# KiCad board EngineController.kicad_pcb
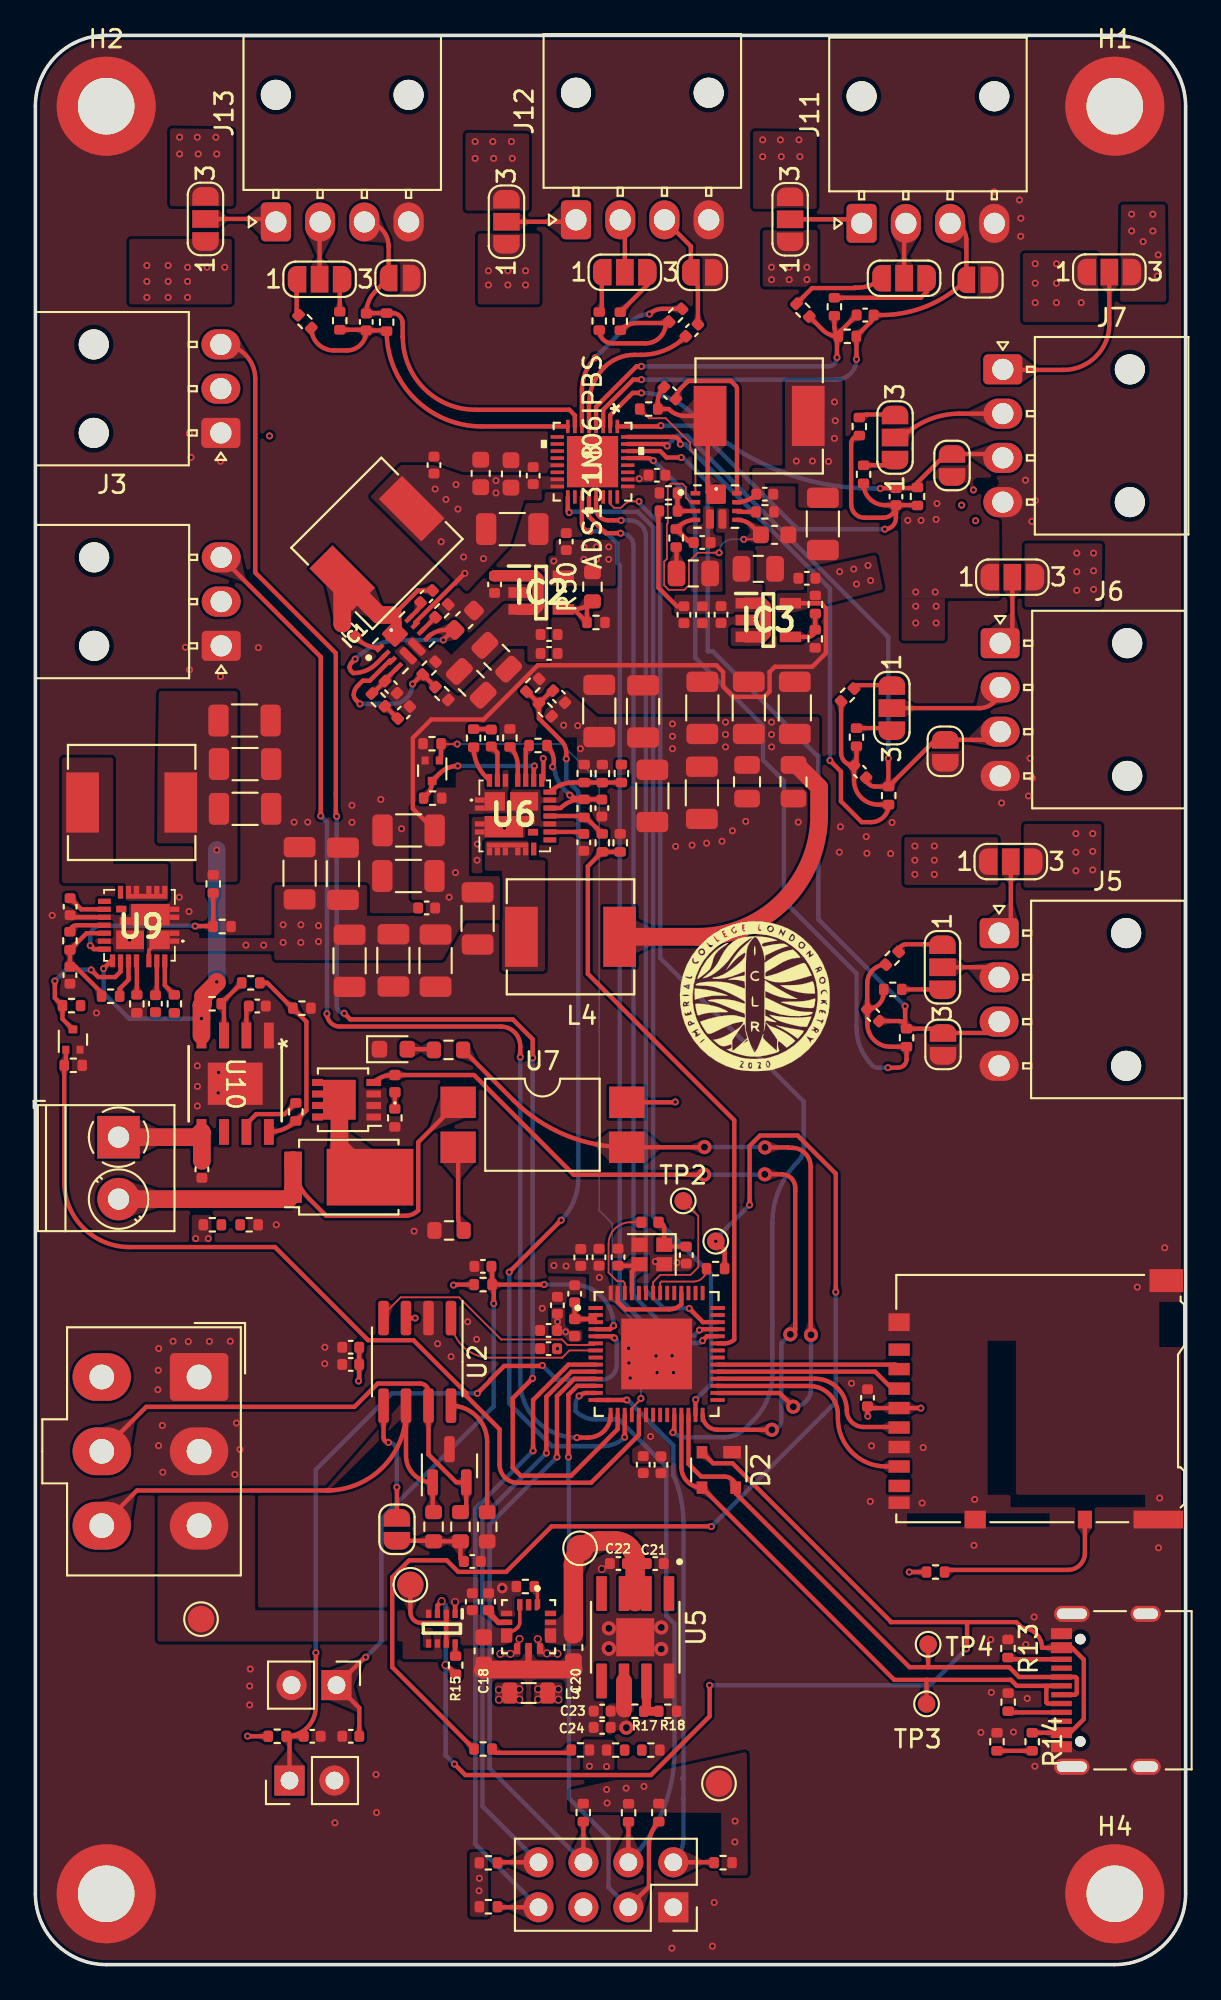
[diagram p0: board, top side]
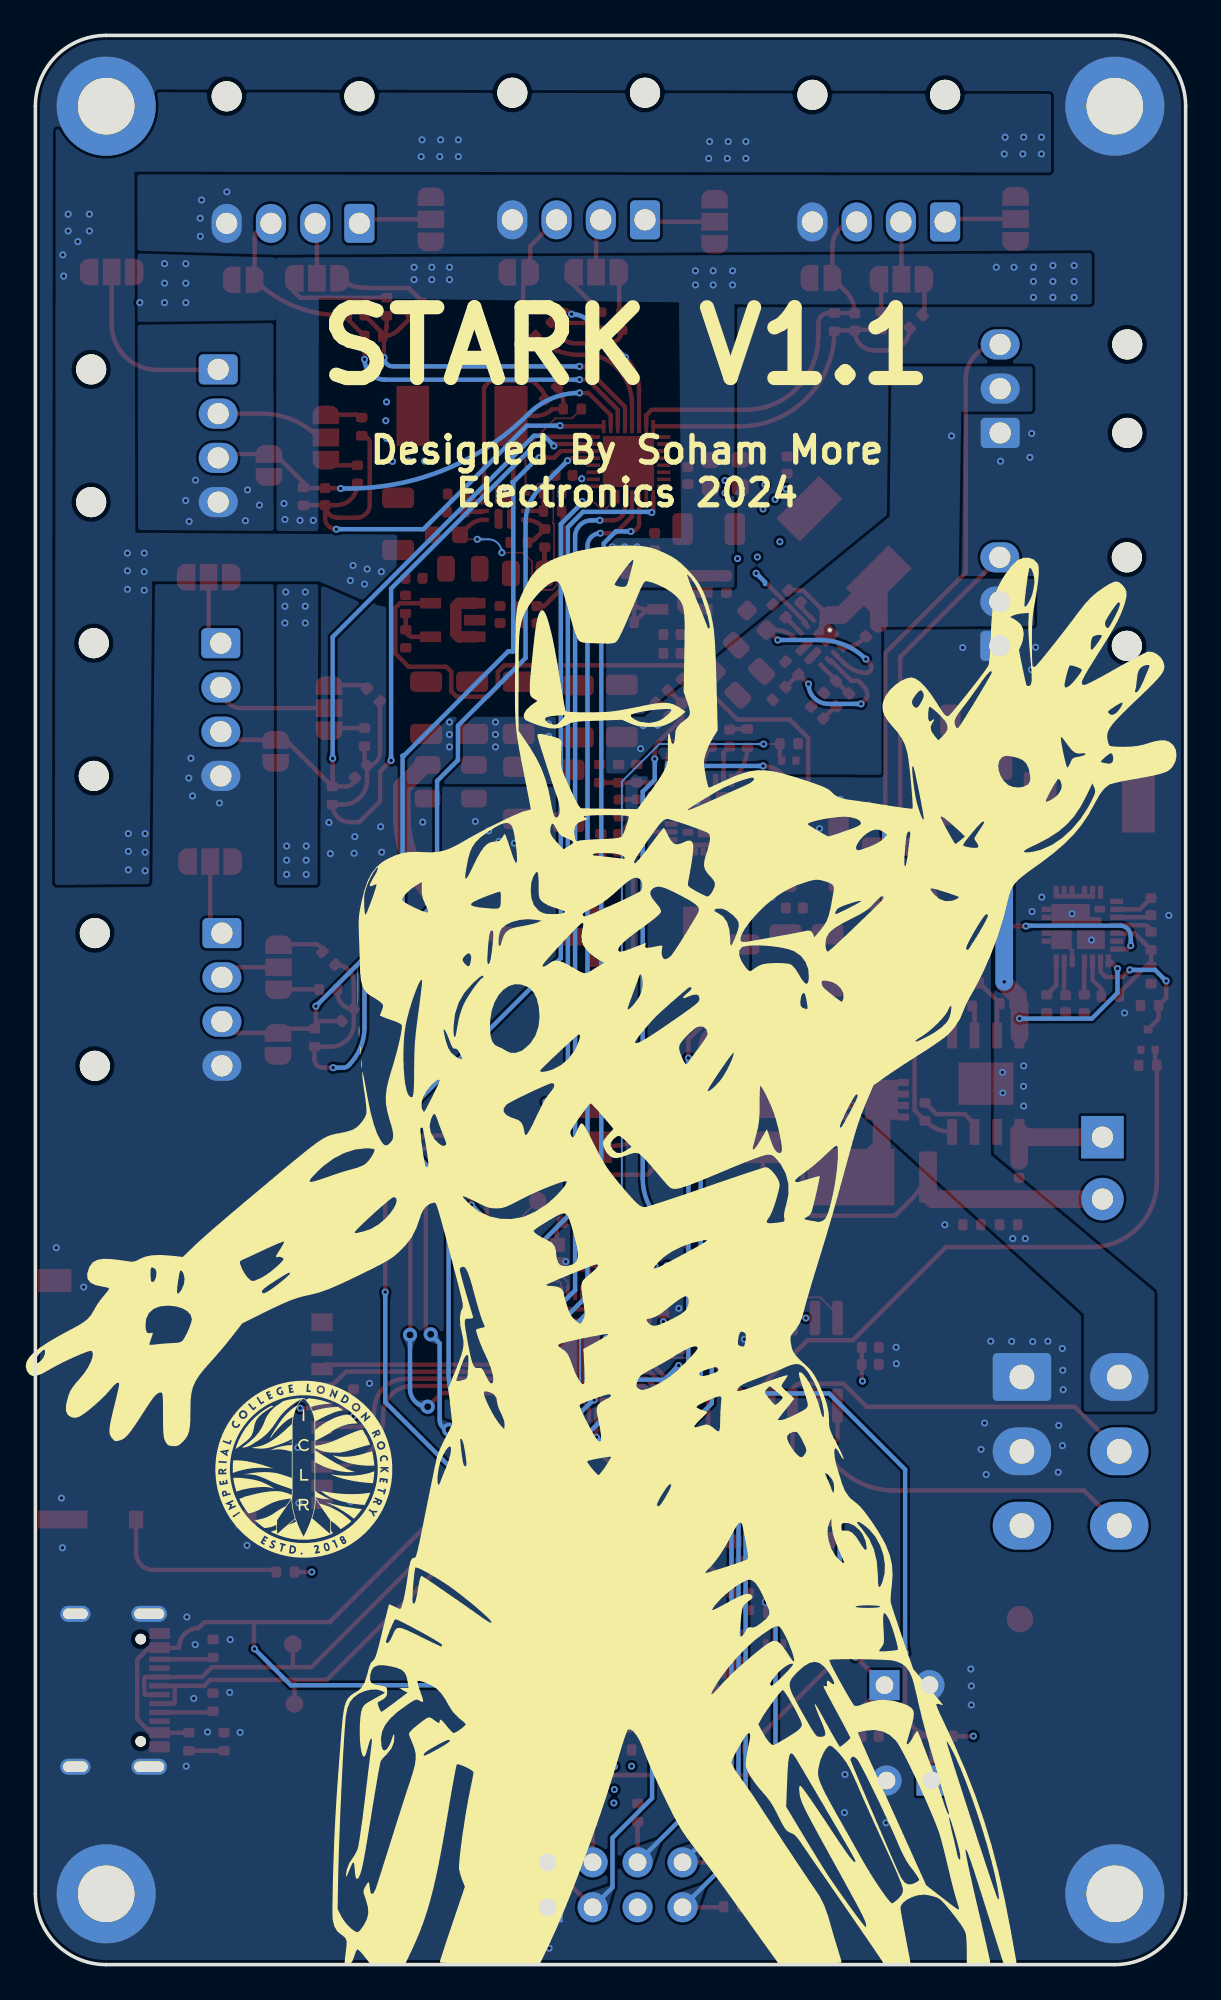
[diagram p1: board, bottom side, seen from below]

Outline 65 x 109 mm; copper layers: Top, In1.Cu (plane), In2.Cu (plane), Bottom. Coordinates in mm from the lower left corner of the outline.
Outline path: 0,105 0,4 arc(1.17,1.17) 4,0 61,0 arc(63.83,1.17) 65,4 65,105 arc(63.83,107.83) 61,109 4,109 arc(1.17,107.83) 0,105
Stack: Top 0.035mm / dielectric 0.1mm FR4 er 4.5 / In1.Cu 0.0175mm / dielectric 1.275mm FR4 er 4.5 / In2.Cu 0.0175mm / dielectric 0.1mm FR4 er 4.5 / Bottom 0.035mm

## Placement (name value [footprint] x y rotation side)
3V3LED1  BLUE_LED  [R_0402_1005Metric]  34.78 12.12 180 top
12VLED1  RED_LED  [R_0402_1005Metric]  12.08 41.8 180 top
BOOTJUMPER1  Conn_01x02_Male  [PinHeader_1x02_P2.54mm_Vertical]  14.36 10.4 90 top
C1  10uF  [C_0402_1005Metric]  29 34.8 180 top
C2  1uF  [C_0402_1005Metric]  25.29 39.45 180 top
C3  0.1uF  [C_0402_1005Metric]  17.82 12.9 180 top
C4  1uF  [C_0402_1005Metric]  29 35.83 180 top
C5  0.1uF  [C_0402_1005Metric]  29.5 37.25 90 top
C6  0.1uF  [C_0402_1005Metric]  30.47 37.9 90 top
C7  1uF  [C_0402_1005Metric]  30.82 39.95 90 top
C8  0.1uF  [C_0402_1005Metric]  15.64 12.9 0 top
C9  10nF  [C_0402_1005Metric]  31.85 39.97 90 top
C10  0.1uF  [C_0402_1005Metric]  34.35 28.25 270 top
C11  0.1uF  [C_0402_1005Metric]  35.35 28.24 270 top
C12  11pF  [C_0402_1005Metric]  32.92 39.97 90 top
C13  11pF  [C_0402_1005Metric]  36.78 40.09 270 top
C14  100nF  [C_0402_1005Metric]  17.82 33.91 180 top
C15  10uF  [C_0402_1005Metric]  17.82 34.88 180 top
C16  47nF  [C_0402_1005Metric]  24.69 22.78 0 top
C17  10uF  [C_0402_1005Metric]  24.69 20.5 90 top
C18  10uF  [C_0603_1608Metric]  25.33 17.72 270 top
C19  1uF  [C_0402_1005Metric]  25.61 20.5 90 top
C20  22uF  [C_0603_1608Metric]  30.4 17.91 270 top
C21  10uF  [C_0402_1005Metric]  35.03 22.66 0 top
C22  4.7uF  [C_0402_1005Metric]  32.95 22.66 180 top
C23  10uF  [C_0402_1005Metric]  32.03 14.32 0 top
C24  0.1uF  [C_0402_1005Metric]  32.03 13.4 0 top
C25  1uF  [C_0402_1005Metric]  32.01 65.35 90 top
C26  4.7uF  [C_0402_1005Metric]  30.99 63.41 90 top
C27  47uF  [C_1206_3216Metric]  21.08 61.51 180 top
C28  47uF  [C_1206_3216Metric]  21.09 64.08 180 top
C29  47uF  [C_1206_3216Metric]  31.86 70.83 90 top
C30  DNP  [C_1206_3216Metric]  24.99 59.11 270 top
C31  47uF  [C_1206_3216Metric]  34.34 70.81 90 top
C32  DNP  [C_1206_3216Metric]  22.61 56.73 270 top
C33  47uF  [C_1206_3216Metric]  34.86 66.03 270 top
C34  100nF  [C_0402_1005Metric]  22.11 59.7 180 top
C35  0.1uF  [C_0402_1005Metric]  25.76 69.3 90 top
C36  DNP  [C_1206_3216Metric]  20.23 56.74 270 top
C37  DNP  [C_0805_2012Metric]  40.21 66.83 270 top
C38  DNP  [C_1206_3216Metric]  17.75 56.72 270 top
C39  DNP  [C_1206_3216Metric]  37.66 66.21 270 top
C40  DNP  [C_1206_3216Metric]  14.93 61.66 90 top
C41  DNP  [C_0805_2012Metric]  42.84 66.83 270 top
C42  DNP  [C_1206_3216Metric]  17.38 61.64 90 top
C43  DNP  [C_1206_3216Metric]  37.69 71.01 90 top
C44  DNP  [C_1206_3216Metric]  40.31 71.01 90 top
C45  DNP  [C_1206_3216Metric]  42.91 71.01 90 top
C46  0.1uF  [C_0402_1005Metric]  29.59 71.64 135 top
C47  0.1uF  [C_0402_1005Metric]  47.02 32.03 90 top
C48  10nF  [C_0402_1005Metric]  47.35 53.65 315 top
C49  10uF  [C_0603_1608Metric]  25.16 84.25 90 top
C50  10nF  [C_0402_1005Metric]  46.6 67.4 315 top
C51  10nF  [C_0402_1005Metric]  48.63 82.94 90 top
C52  100nF  [C_0603_1608Metric]  26.88 84.22 90 top
C53  10nF  [C_0402_1005Metric]  46.89 93.2 0 top
C54  10nF  [C_0402_1005Metric]  37.1 92.34 45 top
C55  10nF  [C_0402_1005Metric]  18.7 92.81 90 top
C56  2.2uF  [C_0603_1608Metric]  24.24 75.96 45 top
C57  180pF  [C_0402_1005Metric]  20.1 72.18 315 top
C58  4.7nF  [C_0402_1005Metric]  20.82 70.74 45 top
C59  1uF  [C_0402_1005Metric]  25.95 77.98 270 top
C60  22uF  [C_0805_2012Metric]  24.63 72.39 315 top
C61  22uF  [C_0805_2012Metric]  26.07 73.87 315 top
C62  100nF  [C_0402_1005Metric]  22.1 77.3 45 top
C63  2.2uF  [C_0402_1005Metric]  30 80.4 90 top
C64  100nF  [C_0402_1005Metric]  22.52 84.72 90 top
C65  47uF  [C_1206_3216Metric]  26.95 81.11 0 top
C66  10uF  [C_0402_1005Metric]  29.03 75.15 0 top
C67  100nF  [C_0402_1005Metric]  29.03 74.08 0 top
C68  1uF  [C_0402_1005Metric]  1.95 55.9 90 top
C69  1uF  [C_0402_1005Metric]  38.75 76.28 270 top
C70  4.7uF  [C_0402_1005Metric]  1.96 59.77 90 top
C71  1uF  [C_0402_1005Metric]  28.13 84.13 90 top
C72  1uF  [C_0402_1005Metric]  35.12 84.15 180 top
C73  2.2uF  [C_0402_1005Metric]  43.6 78.33 180 top
C74  10uF  [C_0402_1005Metric]  37.69 76.27 270 top
C75  100nF  [C_0402_1005Metric]  36.65 76.27 270 top
C76  10uF  [C_0603_1608Metric]  41.77 80.78 0 top
C77  120pF  [C_0402_1005Metric]  37.68 80.35 0 top
C78  2.2nF  [C_0805_2012Metric]  37.18 78.6 0 top
C79  22uF  [C_0805_2012Metric]  40.85 78.86 0 top
C80  100nF  [C_0402_1005Metric]  35.86 88.79 135 top
C81  100nF  [C_0402_1005Metric]  41.22 83.08 0 top
C82  22uF  [C_1206_3216Metric]  44.5 81.4 270 top
C85  47uF  [C_1206_3216Metric]  11.85 67.83 0 top
C87  47uF  [C_1206_3216Metric]  11.85 65.3 0 top
C89  47uF  [C_1206_3216Metric]  11.82 70.29 0 top
C91  0.1uF  [C_0402_1005Metric]  6.78 54.29 270 top
C92  2.2nF  [C_0402_1005Metric]  12.54 54.16 180 top
C93  100uF  [C_0402_1005Metric]  9.41 44.93 90 top
D1  SM712_SOT23  [SOT-23]  23.4 28.18 90 top
D2  SP0503BAHT  [SOT-143]  38.62 27.95 270 top
D4  DST1550S  [TO-277B]  17.71 44.49 90 top
D6  RED_LED  [LED_0603_1608Metric]  20.23 51.72 0 top
ENJUMPER1  Conn_01x02_Male  [PinHeader_1x02_P2.54mm_Vertical]  17.01 15.79 270 top
Firing1  EMERALD_LED  [LED_0402_1005Metric]  20.32 49.78 90 top
G***  LOGO  [iclr_logo]  40.65 54.72 0 top
G***#2  -  [LOGO]  33.02 40.18 180 bottom
H1  MountingHole_Pad  [MountingHole_3.2mm_M3_DIN965_Pad]  61 105 0 top
H2  MountingHole_Pad  [MountingHole_3.2mm_M3_DIN965_Pad]  4 105 0 top
H3  MountingHole_Pad  [MountingHole_3.2mm_M3_DIN965_Pad]  4 4 0 top
H4  MountingHole_Pad  [MountingHole_3.2mm_M3_DIN965_Pad]  61 4 0 top
IC1  TPS61089RNRR  [IC_TPS61089RNRR]  20.82 74.69 45 top
IC2  AP2205-W5-7  [SOT95P282X145-5N]  28.58 77.52 0 top
IC3  AP2205-W5-7  [SOT95P282X145-5N]  41.42 75.97 0 top
IC4  TPS61089RNRR  [IC_TPS61089RNRR]  38.47 82.38 0 top
J1  RBUS  [Molex_Mini-Fit_Jr_5566-06A_2x03_P4.20mm_Vertical]  9.25 33.2 270 top
J2  USB_C_Receptacle_USB2.0  [USB_C_Receptacle_Palconn_UTC16-G]  60.5 15.5 90 top
J3  ServoCH1  [Molex_Nano-Fit_105313-xx03_1x03_P2.50mm_Horizontal]  10.48 86.54 180 top
J4  ServoCH2  [Molex_Nano-Fit_105313-xx03_1x03_P2.50mm_Horizontal]  10.5 74.51 180 top
J5  1053131104  [Molex_Nano-Fit_105313-xx04_1x04_P2.50mm_Horizontal]  54.46 58.28 0 top
J6  1053131104  [Molex_Nano-Fit_105313-xx04_1x04_P2.50mm_Horizontal]  54.52 74.66 0 top
J7  1053131104  [Molex_Nano-Fit_105313-xx04_1x04_P2.50mm_Horizontal]  54.67 90.13 0 top
J8  GPIO Breakout  [PinSocket_2x04_P2.54mm_Vertical]  36.05 3.24 270 top
J9  Micro_SD_Card_Det  [microSD_HC_Hirose_DM3AT-SF-PEJM5]  56.53 31.97 90 top
J10  Conn_01x02_Male  [TerminalBlock_Phoenix_PT-1,5-2-3.5-H_1x02_P3.50mm_Horizontal]  4.7 46.75 270 top
J11  1053131104  [Molex_Nano-Fit_105313-xx04_1x04_P2.50mm_Horizontal]  46.69 98.38 90 top
J12  1053131104  [Molex_Nano-Fit_105313-xx04_1x04_P2.50mm_Horizontal]  30.55 98.58 90 top
J13  1053131104  [Molex_Nano-Fit_105313-xx04_1x04_P2.50mm_Horizontal]  13.59 98.46 90 top
JP1  TermJP  [SolderJumper-2_P1.3mm_Open_RoundedPad1.0x1.5mm]  20.43 24.6 270 top
JP2  SolderJumper_3_Open  [SolderJumper-3_P1.3mm_Open_RoundedPad1.0x1.5mm_NumberLabels]  51.26 56.35 270 top
JP3  SolderJumper_2_Open  [SolderJumper-2_P1.3mm_Open_RoundedPad1.0x1.5mm]  51.29 51.99 90 top
JP4  SolderJumper_3_Open  [SolderJumper-3_P1.3mm_Open_RoundedPad1.0x1.5mm_NumberLabels]  55.12 62.32 0 top
JP5  SolderJumper_3_Open  [SolderJumper-3_P1.3mm_Open_RoundedPad1.0x1.5mm_NumberLabels]  48.4 70.99 270 top
JP6  SolderJumper_2_Open  [SolderJumper-2_P1.3mm_Open_RoundedPad1.0x1.5mm]  51.42 68.55 90 top
JP7  SolderJumper_3_Open  [SolderJumper-3_P1.3mm_Open_RoundedPad1.0x1.5mm_NumberLabels]  55.21 78.39 0 top
JP8  SolderJumper_3_Open  [SolderJumper-3_P1.3mm_Open_RoundedPad1.0x1.5mm_NumberLabels]  48.58 86.28 90 top
JP9  SolderJumper_2_Open  [SolderJumper-2_P1.3mm_Open_RoundedPad1.0x1.5mm]  51.8 84.7 90 top
JP10  SolderJumper_3_Open  [SolderJumper-3_P1.3mm_Open_RoundedPad1.0x1.5mm_NumberLabels]  60.69 95.63 0 top
JP11  SolderJumper_3_Open  [SolderJumper-3_P1.3mm_Open_RoundedPad1.0x1.5mm_NumberLabels]  49.09 95.28 0 top
JP12  SolderJumper_2_Open  [SolderJumper-2_P1.3mm_Open_RoundedPad1.0x1.5mm]  53.26 95.19 180 top
JP13  SolderJumper_3_Open  [SolderJumper-3_P1.3mm_Open_RoundedPad1.0x1.5mm_NumberLabels]  42.65 98.61 90 top
JP14  SolderJumper_3_Open  [SolderJumper-3_P1.3mm_Open_RoundedPad1.0x1.5mm_NumberLabels]  33.31 95.62 0 top
JP15  SolderJumper_2_Open  [SolderJumper-2_P1.3mm_Open_RoundedPad1.0x1.5mm]  37.69 95.61 180 top
JP16  SolderJumper_3_Open  [SolderJumper-3_P1.3mm_Open_RoundedPad1.0x1.5mm_NumberLabels]  26.62 98.47 90 top
JP17  SolderJumper_3_Open  [SolderJumper-3_P1.3mm_Open_RoundedPad1.0x1.5mm_NumberLabels]  16.06 95.22 0 top
JP18  SolderJumper_2_Open  [SolderJumper-2_P1.3mm_Open_RoundedPad1.0x1.5mm]  20.61 95.29 180 top
JP19  SolderJumper_3_Open  [SolderJumper-3_P1.3mm_Open_RoundedPad1.0x1.5mm_NumberLabels]  9.61 98.63 90 top
L1  2.0nH  [L_0402_1005Metric]  30.47 35.99 90 top
L2  20nH  [L_0402_1005Metric]  34.73 41.94 0 top
L3  1uH  [L_0805_2012Metric]  27.88 15.34 0 top
L4  3.3uH  [IND_SRP6540-390M]  30.24 58.07 180 top
L5  SRR6038-5R0Y  [IND_SRP6540-390M]  19.3 80.3 225 top
L6  SRR6038-5R0Y  [IND_SRP6540-390M]  40.9 87.5 180 top
L7  3.3uH  [IND_SRP6540-390M]  5.44 65.66 180 top
LOGO1  ICLR LOGO  [iclr_logo_estd2018_10mm]  49.83 27.99 180 bottom
Q1  SSM3K15AMFV,L3F  [SOT-723]  22.42 67.46 270 top
Q2  BUK9M11-40EX  [LFPAK33]  17.58 48.87 180 top
Q3  SSM3K15AMFV,L3F  [SOT-723]  2.12 52.27 90 top
R1  10K  [R_0402_1005Metric]  25.3 38.42 0 top
R2  470  [R_0402_1005Metric]  30.8 12.13 180 top
R3  10K  [R_0402_1005Metric]  13.66 12.9 0 top
R4  470  [R_0402_1005Metric]  32.79 12.12 180 top
R5  499R  [R_0402_1005Metric]  38.44 39.33 180 top
R6  3k  [R_0402_1005Metric]  10 41.8 0 top
R7  1.5k  [R_0402_1005Metric]  32.03 63.38 90 top
R8  2.2k  [R_0402_1005Metric]  33.05 63.38 270 top
R9  0  [R_0603_1608Metric]  25.53 24.73 270 top
R10  60  [R_0603_1608Metric]  24.02 24.74 270 top
R11  60  [R_0603_1608Metric]  22.5 24.74 90 top
R12  5.1k  [R_0402_1005Metric]  54.97 14.83 90 top
R13  5.1k  [R_0402_1005Metric]  54.96 17.86 270 top
R14  5.1k  [R_0402_1005Metric]  56.33 12.59 270 top
R15  10k  [R_0402_1005Metric]  23.75 16.92 90 top
R16  14k  [R_0402_1005Metric]  27.69 21.36 180 top
R17  56k  [R_0402_1005Metric]  33.88 14.31 0 top
R18  10k  [R_0402_1005Metric]  35.74 14.31 0 top
R19  10k  [R_0402_1005Metric]  31.01 65.33 270 top
R20  130k  [R_0402_1005Metric]  31.01 67.3 90 top
R21  10k  [R_0402_1005Metric]  33.11 67.3 270 top
R22  2.2  [R_0402_1005Metric]  24.76 69.3 90 top
R23  294k  [R_0402_1005Metric]  32.04 67.29 90 top
R24  1k  [R_0402_1005Metric]  22.42 68.98 0 top
R25  200k  [R_0402_1005Metric]  28.41 68.88 0 top
R26  100k  [R_0402_1005Metric]  26.81 69.31 90 top
R27  10k  [R_0402_1005Metric]  22.45 65.91 0 top
R28  1.5k  [R_0402_1005Metric]  28.81 70.89 315 top
R29  470  [R_0402_1005Metric]  28.11 72.28 225 top
R30  90k  [R_0402_1005Metric]  48.45 55.1 180 top
R31  31.7k  [R_0402_1005Metric]  48.42 56.86 225 top
R32  10k  [R_0402_1005Metric]  49.23 52.37 90 top
R33  90k  [R_0402_1005Metric]  46.4 69.35 270 top
R34  31.7k  [R_0402_1005Metric]  45.89 71.73 225 top
R35  10k  [R_0402_1005Metric]  48.22 66.05 90 top
R36  90k  [R_0402_1005Metric]  46.56 86.9 270 top
R37  31.7k  [R_0402_1005Metric]  46.8 84.2 270 top
R38  10k  [R_0402_1005Metric]  49.85 82.95 90 top
R39  90k  [R_0402_1005Metric]  45.15 93.67 270 top
R40  31.7k  [R_0402_1005Metric]  43.37 93.48 315 top
R41  10k  [R_0402_1005Metric]  45.88 92 0 top
R42  90k  [R_0402_1005Metric]  33.05 92.85 270 top
R43  31.7k  [R_0402_1005Metric]  31.86 92.86 270 top
R44  10k  [R_0402_1005Metric]  36.18 93.19 45 top
R45  17.4k  [R_0402_1005Metric]  19.38 71.46 315 top
R46  1K  [R_0402_1005Metric]  22.25 73.25 45 top
R47  10k  [R_0402_1005Metric]  22.97 71.82 135 top
R48  127k  [R_0402_1005Metric]  22.97 76.49 225 top
R49  50k  [R_0402_1005Metric]  31.68 75.83 180 top
R50  152k  [R_0603_1608Metric]  31.48 77.85 90 top
R51  301k  [R_0402_1005Metric]  17.7 75.4 135 top
R52  90k  [R_0402_1005Metric]  17.2 92.88 270 top
R53  31.7k  [R_0402_1005Metric]  15.23 92.83 315 top
R54  10k  [R_0402_1005Metric]  19.85 92.8 90 top
R55  51k  [R_0402_1005Metric]  44.07 74.91 90 top
R56  0k  [R_0402_1005Metric]  44.08 76.85 90 top
R57  10k  [R_0402_1005Metric]  1.95 57.84 90 top
R58  190k  [R_0402_1005Metric]  10.05 61.06 90 top
R59  DNP  [R_0402_1005Metric]  38.86 5.76 180 top
R60  DNP  [R_0402_1005Metric]  35.23 8.59 270 top
R61  DNP  [R_0402_1005Metric]  33.52 8.58 270 top
R62  DNP  [R_0402_1005Metric]  30.96 8.59 270 top
R63  DNP  [R_0402_1005Metric]  25.6 3.27 0 top
R64  DNP  [R_0402_1005Metric]  25.6 5.75 0 top
R65  120  [R_0402_1005Metric]  20.31 47.84 270 top
R66  10k  [R_0402_1005Metric]  50.87 22.18 0 top
R67  10k  [R_0402_1005Metric]  10.55 58.65 180 top
R68  120  [R_0603_1608Metric]  23.34 51.68 180 top
R69  2.2  [R_0402_1005Metric]  7.85 54.28 270 top
R70  10k  [R_0603_1608Metric]  23.38 41.48 180 top
R72  1k  [R_0402_1005Metric]  2.14 50.81 180 top
R73  200k  [R_0402_1005Metric]  4.25 54.71 180 top
R74  100k  [R_0402_1005Metric]  5.73 54.28 270 top
R75  10k  [R_0402_1005Metric]  2.04 54.18 0 top
R76  464K  [R_0402_1005Metric]  9.99 54.29 180 top
R77  33.2K  [R_0402_1005Metric]  12.17 55.47 180 top
R78  47.5K  [R_0402_1005Metric]  15.06 54.04 0 top
R79  453  [R_0402_1005Metric]  14.72 48.18 270 top
R84  18.7k  [R_0402_1005Metric]  36.21 80.6 270 top
R85  2k  [R_0402_1005Metric]  35.77 82.12 180 top
R86  10k  [R_0402_1005Metric]  35.77 83.15 0 top
R87  475k  [R_0402_1005Metric]  41.23 82.08 180 top
R88  287k  [R_0402_1005Metric]  34.66 87.89 0 top
TP1  TestPoint  [TestPoint_Pad_D1.0mm]  38.45 40.87 0 top
TP2  TestPoint  [TestPoint_Pad_D1.0mm]  36.61 43.15 0 top
TP3  TestPoint  [TestPoint_Pad_D1.0mm]  50.36 14.73 0 top
TP4  TestPoint  [TestPoint_Pad_D1.0mm]  50.45 18.1 0 top
TP5  TestPoint  [TestPoint_Pad_D1.5mm]  21.19 21.46 0 top
TP6  TestPoint  [TestPoint_Pad_D1.5mm]  9.36 19.52 0 top
TP7  TestPoint  [TestPoint_Pad_D1.5mm]  38.63 10.23 0 top
TP8  TestPoint  [TestPoint_Pad_D1.5mm]  30.78 23.52 0 top
TXLED1  GREEN_LED  [R_0402_1005Metric]  25.3 12.18 0 top
U1  ESP32-S3  [QFN40P700X700X90-57N]  35.1 34.5 0 top
U2  SN65HVD230  [SOIC-8_3.9x4.9mm_P1.27mm]  21.58 34.05 270 top
U3  LM66200DRLR  [SOTFL50P160X60-8N]  22.97 18.98 270 top
U4  MAX77827AEFD+T  [CONV_MAX77827AEFD+T]  27.87 19.09 270 top
U5  SC4215  [SOIC127P599X175-9N]  33.9 18.49 270 top
U6  SiC437BED-T1-GE3  [SiC437BEDT1GE3]  27.09 64.9 0 top
U7  LTV-247  [SMDIP-4_W9.53mm]  28.66 47.45 0 top
U8  ADS131M06IPBS  [ADS131M06IRSNR]  31.49 84.91 270 top
U9  SiC437BED-T1-GE3  [SiC437BEDT1GE3]  5.88 58.72 180 top
U10  TPS259621DDAT  [SO-PP-DDA-8_TEX]  11.29 49.77 270 top
USBLED1  WHITE_LED  [R_0402_1005Metric]  54.34 12.59 270 top
Y1  R940000171  [Crystal_SMD_2016-4Pin_2.0x1.6mm]  34.83 40.12 180 top

## Library data of the parts
3V3LED1 12VLED1 TXLED1 USBLED1 = -: Description: Light emitting diode, small symbol
BOOTJUMPER1 ENJUMPER1 J10 = -: Description: Generic connector, single row, 01x02, script generated (kicad-library-utils/schlib/autogen/connector/)
C1-C15 C17-C82 C85 C87 C89 C91-C93 = -: Description: Unpolarized capacitor, small symbol
C16 = -: Description: Unpolarized capacitor
D1 = -: Description: 7V/12V, 600W Asymmetrical TVS Diode Array, SOT-23
D2 = -: Description: TVS Diode Array, 5.5V Standoff, 3 Channels, SOT-143 package
D4 = -: Description: Schottky diode, anode on pins 1 and 2
D6 Firing1 = -: Description: Light emitting diode
H1-H4 LOGO1 = -: Description: Mounting Hole with connection
IC1 IC4 = -: Description: 12.6-V, 7-A Fully-Integrated Synchronous Boost Converters in 2.0-mm x 2.5-mm VQFN Package; Arrow Price/Stock: https://www.arrow.com/en/products/tps61089rnrr/texas-instruments?region=nac; Manufacturer_Name: Texas Instruments; Mouser Part Number: 595-TPS61089RNRR; Mouser Price/Stock: https://www.mouser.co.uk/ProductDetail/Texas-Instruments/TPS61089RNRR?qs=G55MHhPmvtI%2Ft%2FkJeUeP3Q%3D%3D
IC2 IC3 = -: Description: LDO Voltage Regulators LDO CMOS LowCurr; Height: 1.45; Manufacturer_Name: Diodes Inc.; Mouser Part Number: 621-AP2205-W5-7; Mouser Price/Stock: https://www.mouser.co.uk/ProductDetail/Diodes-Incorporated/AP2205-W5-7?qs=EBDBlbfErPxiadLvD5FZyQ%3D%3D
J1 = -: Description: Generic connector, single row, 01x06, script generated (kicad-library-utils/schlib/autogen/connector/)
J2 = -: Description: USB 2.0-only Type-C Receptacle connector
J3 J4 = -: Description: Generic connector, single row, 01x03, script generated (kicad-library-utils/schlib/autogen/connector/)
J8 = -: Description: Generic connector, single row, 01x08, script generated (kicad-library-utils/schlib/autogen/connector/)
J9 = -: Description: Micro SD Card Socket with card detection pins
JP1 JP3 JP6 JP9 JP12 JP15 JP18 = -: Description: Solder Jumper, 2-pole, open
JP2 JP4 JP5 JP7 JP8 JP10 JP11 JP13 JP14 JP16 JP17 JP19 = -: Description: Solder Jumper, 3-pole, open
L1-L4 L7 = -: Description: Inductor
L5 L6 = -: Description: BOURNS - SRR6038-5R0Y - INDUCTOR, SHIELDED, 5UH, 2.95A, SMD, FULL REEL; Arrow Price/Stock: https://www.arrow.com/en/products/srr6038-5r0y/bourns?region=nac; Manufacturer_Name: Bourns; Mouser Part Number: 652-SRR6038-5R0Y; Mouser Price/Stock: https://www.mouser.co.uk/ProductDetail/Bourns/SRR6038-5R0Y?qs=s%252BX%2FYkvGCpEfKc4OEBpucw%3D%3D
Q1 Q3 = -: Description: N-MOSFET transistor, gate/source/drain
Q2 = -: Description: 53A Id, 40V Vds, N-Channel TrenchMOS MOSFET, 9mOhm Ron, 13.4nC Qqd, -55 to 175 °C, LFPAK33
R1-R9 R12-R64 R66 R67 R69 R72-R75 R84-R88 = -: Description: Resistor, small symbol
R10 R11 R65 R68 R70 R76-R79 = -: Description: Resistor
TP1-TP8 = -: Description: test point
U1 = -: Description: ESP32-S3 is a low-power MCU-based system-on-chip (SoC) that supports 2.4 GHz Wi-Fi and Bluetooth® Low Energy (Bluetooth LE). It consists of high-performance dual-core microprocessor (Xtensa® 32-bit LX7), a low power coprocessor, a Wi-Fi baseband, a Bluetooth LE baseband, RF module, and peripherals.
U2 = -: Description: CAN Bus Transceivers, 3.3V, 1Mbps, Low-Power capabilities, SOIC-8
U3 = -: Description: 1.6-V to 5.5-V, 40-m, 2.5-A, low-IQ, dual ideal diode; Arrow Price/Stock: https://www.arrow.com/en/products/lm66200drlr/texas-instruments?region=nac; Height: 0.6; Manufacturer_Name: Texas Instruments; Mouser Part Number: 595-LM66200DRLR; Mouser Price/Stock: https://www.mouser.co.uk/ProductDetail/Texas-Instruments/LM66200DRLR?qs=Rp5uXu7WBW90hnpZAkIOdQ%3D%3D
U4 = -: MANUFACTURER: Maxim Integrated; MAXIMUM_PACKAGE_HEIGHT: 0.6mm; PARTREV: B; STANDARD: Manufacturer Recommended
U6 U9 = -: Description: Switching Voltage Regulators 3-28V 12A 50uA microBUCK MLP44-24; Arrow Part Number: SIC437BED-T1-GE3; Arrow Price/Stock: https://www.arrow.com/en/products/sic437bed-t1-ge3/vishay; Height: 0.8; Manufacturer_Name: Vishay; Mouser Part Number: 78-SIC437BED-T1-GE3; Mouser Price/Stock: https://www.mouser.co.uk/ProductDetail/Vishay-Siliconix/SiC437BED-T1-GE3?qs=chTDxNqvsyntp1SKlnHzGA%3D%3D
U7 = -: Description: DC Quad Optocoupler, Vce 80V, CTR 100-600%, SOP-16
Y1 = -: Description: Four pin crystal, GND on pins 2 and 4
